# Altium PCB roach2.PcbDoc (part 36 of 39)
Units mil, origin at the board's own origin, x right, y up, seen from the top; angles counter-clockwise.
Board outline 12007.87 x 9606.3 mil, 16 copper layers (L1_TOP, L2_G, L3_S, L4_G, L5_S, L6_P, L7_G, L8_R, L9_R, L10_P, L11_P, L12_S, L13_P, L14_S, L15_G, L16_BOT), stack 81.651 mil thick; 1568 components, 1918 nets, 9251 pads, 6741 vias.
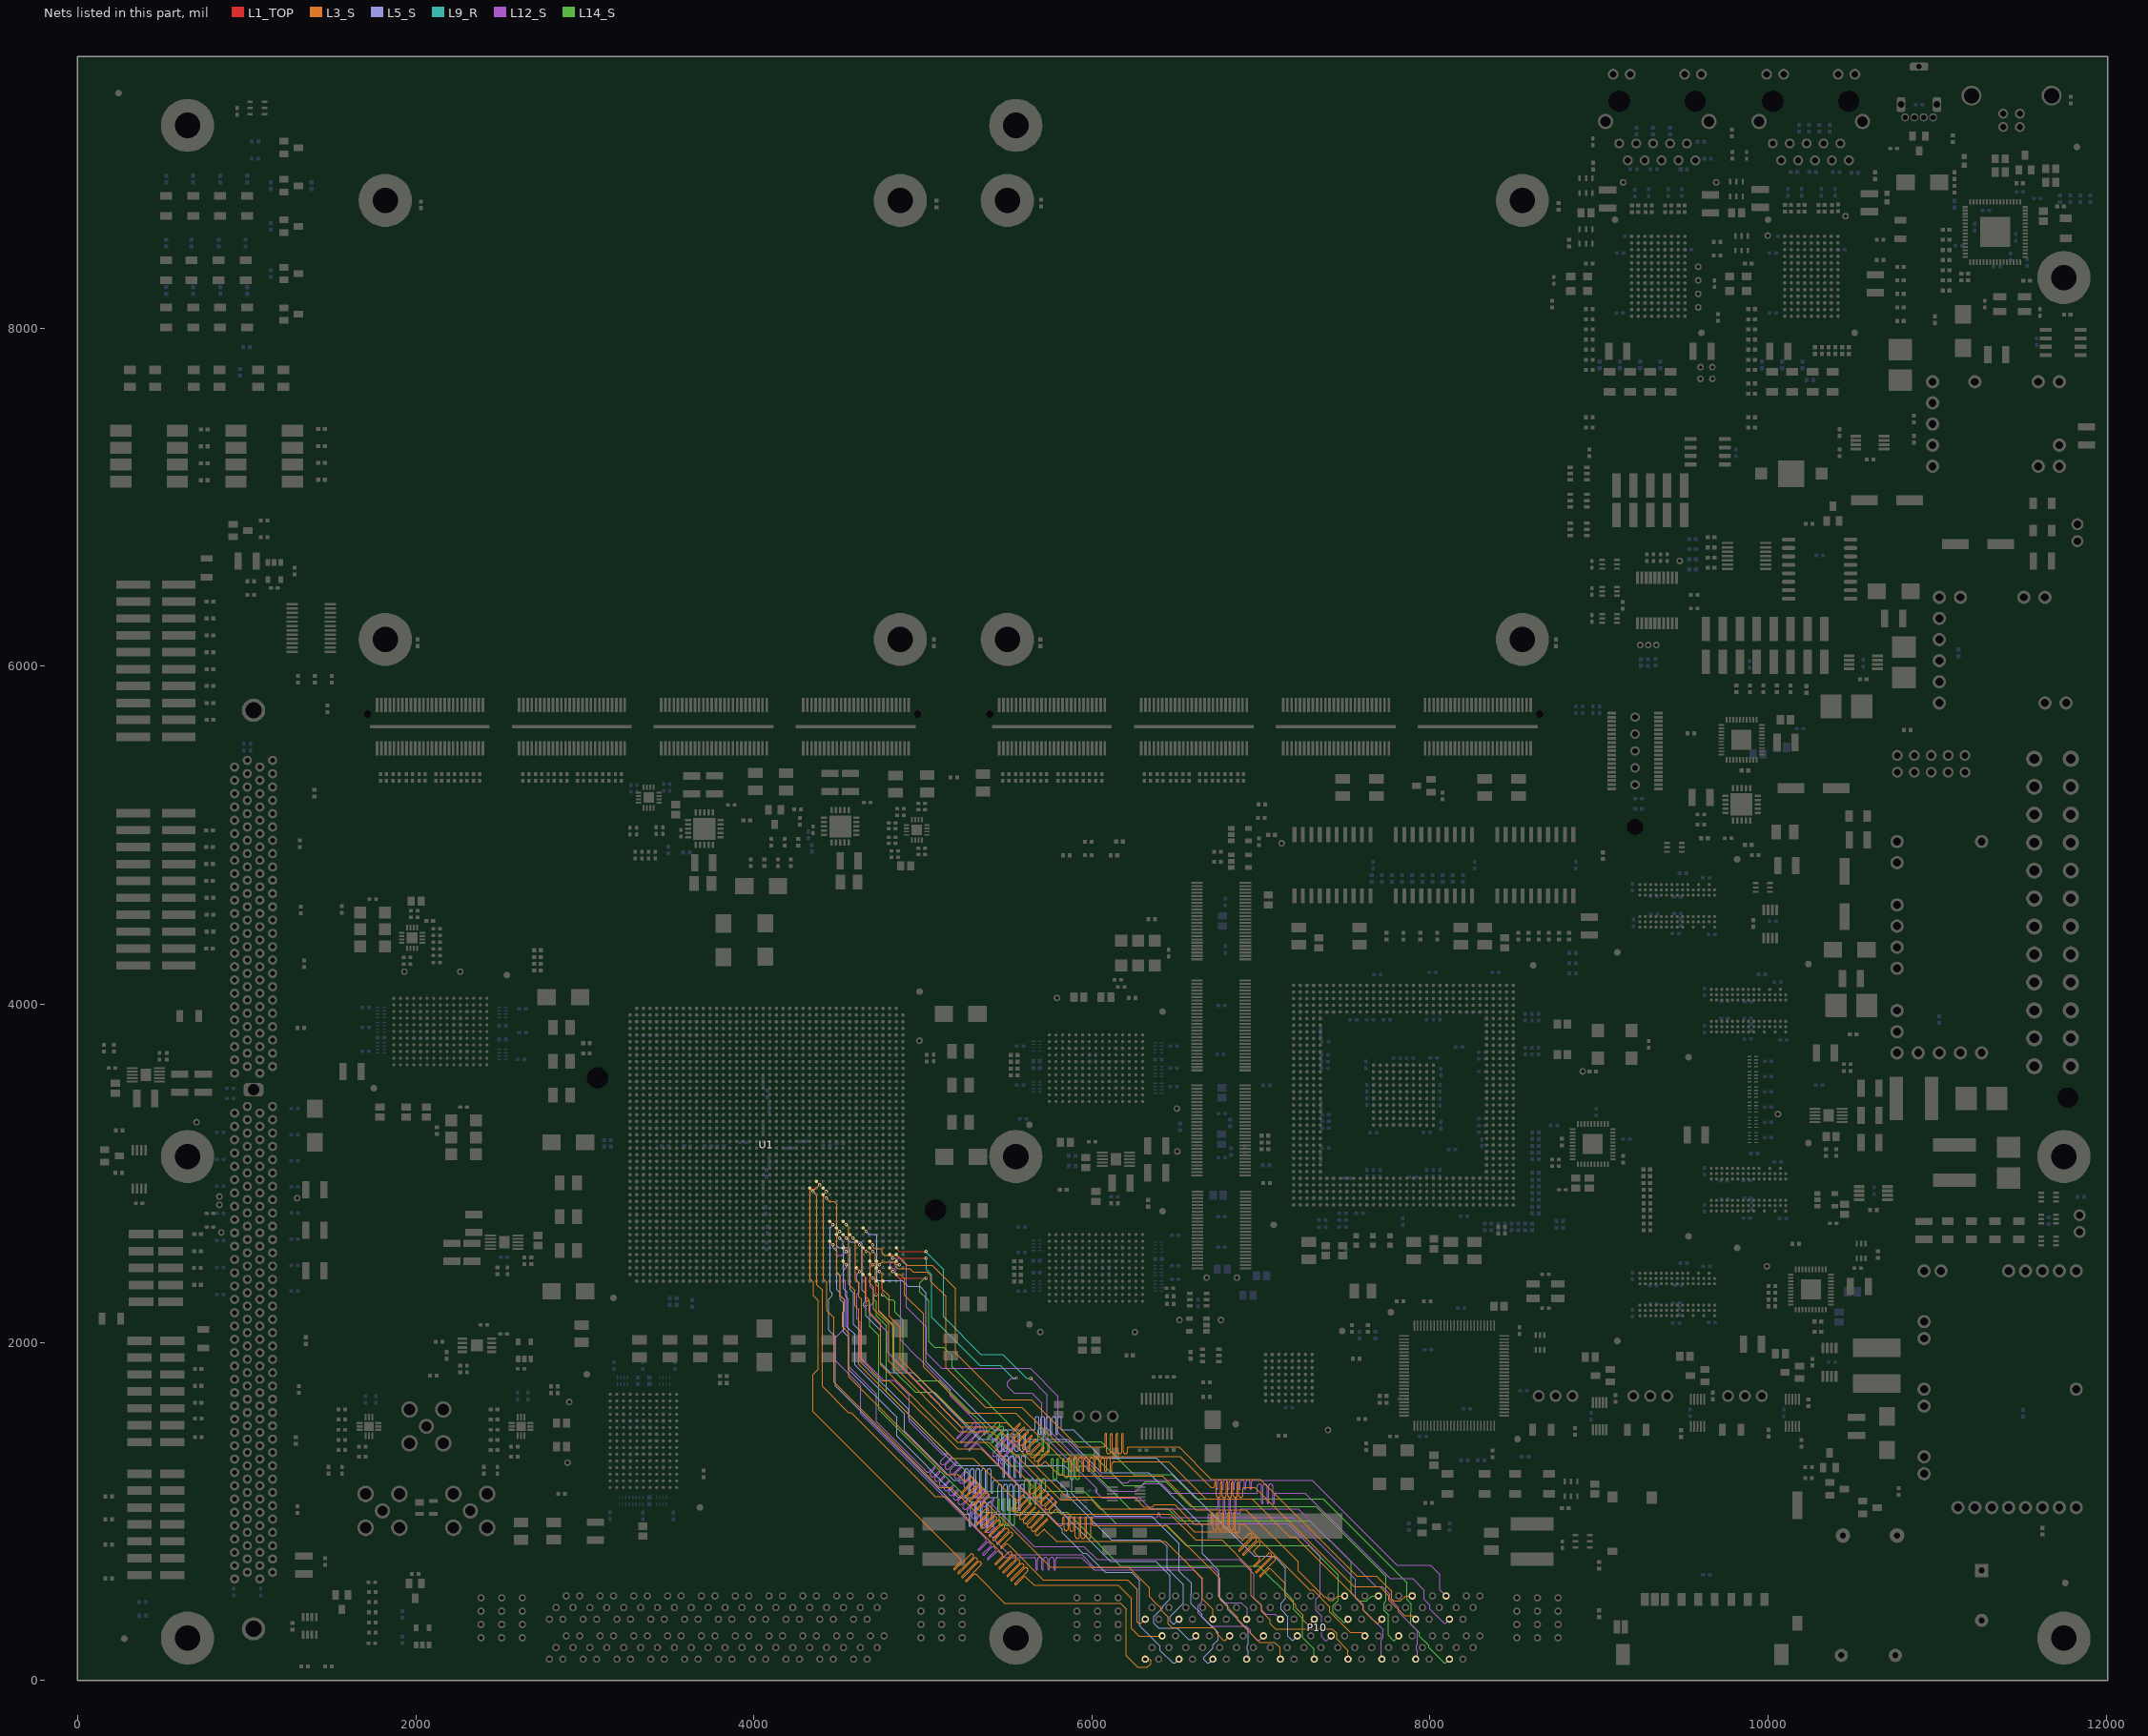
[diagram p50: the nets of this part, all layers, seen from the top]

## Via types
v1: diameter 19.4, hole 10, L1_TOP to L16_BOT, tented both sides, 3354 vias
v2: diameter 19.4, hole 10, L1_TOP to L16_BOT, 1954 vias
v3: diameter 19.4, hole 10, L1_TOP to L16_BOT, tented top, 429 vias
v4: diameter 18.6, hole 10, L1_TOP to L16_BOT, tented both sides, 311 vias
v5: diameter 59.06, hole 39.37, L1_TOP to L16_BOT, 217 vias
v6: diameter 19.4, hole 10.04, L1_TOP to L16_BOT, 125 vias
v7: diameter 19, hole 10, L1_TOP to L16_BOT, 93 vias
v8: diameter 19.4, hole 10, L1_TOP to L16_BOT, tented bottom, 80 vias
v9: diameter 25.98, hole 12.99, L1_TOP to L16_BOT, tented top, 55 vias
v10: diameter 20, hole 10, L1_TOP to L16_BOT, 53 vias
v11: diameter 59.06, hole 39.37, L1_TOP to L16_BOT, tented top, 44 vias
v12: diameter 20, hole 10, L1_TOP to L16_BOT, tented top, 16 vias
v13: diameter 19, hole 10, L1_TOP to L16_BOT, tented top, 5 vias
v14: diameter 25.98, hole 12.99, L1_TOP to L16_BOT, 4 vias
v15: diameter 50, hole 28, L1_TOP to L16_BOT, 1 vias

## Nets (pads, with @x,y where several pads share a name; then routed paths per layer and width w, separated by ;. In a path a pad name is that pad's centre, name@x,y a point inside that pad or via, vN(x,y) a via of type N, cw(c..) or ccw(c..) an arc to the next point about the centre after c; other vN are vias at no path point) (continued)
ZDOK0.DP_N34: P10.F12 U1.E40 | length 5260.4
  L1_TOP w5: U1.E40@4723.51,2439.41 v1(4743.2,2419.72)
  L3_S w3.8: v1@4744.1,2421.26 4744.41,2420.94 4759.88,2405.47 4759.88,2315.76 4801.19,2274.45 4801.19,2154.76 4867.19,2088.76 4867.19,1901.76 5243.76,1525.19 5495.79,1525.19 5498.75,1522.24 5527.3,1493.68 ccw(c5535.94,1502.3) 5544.56,1493.67 ; 5544.57,1493.68 5570.2,1519.31 cw(c5573.31,1516.2) 5576.42,1519.31 cw(c5573.31,1516.2) 5577.71,1516.2 cw(c5573.31,1516.2) 5576.42,1513.09 5544.92,1481.59 ; 5544.91,1481.58 5520.91,1457.58 ccw(c5529.54,1448.95) 5520.91,1440.32 ccw(c5529.54,1448.95) 5538.16,1440.32 5593.67,1495.83 cw(c5596.79,1492.73) 5599.9,1495.84 cw(c5596.79,1492.73) 5601.19,1492.73 cw(c5596.79,1492.73) 5599.9,1489.62 5568.4,1458.11 5544.39,1434.11 ccw(c5553.01,1425.47) 5544.38,1416.85 ccw(c5553.01,1425.47) 5561.64,1416.85 5617.15,1472.36 cw(c5620.26,1469.25) 5623.37,1472.36 cw(c5620.26,1469.25) 5624.66,1469.25 cw(c5620.26,1469.25) 5623.37,1466.14 5591.87,1434.64 ; 5591.86,1434.63 5567.86,1410.63 ccw(c5576.49,1402) 5567.86,1393.37 ccw(c5576.49,1402) 5585.11,1393.37 5640.62,1448.88 cw(c5643.74,1445.78) 5646.85,1448.89 cw(c5643.74,1445.78) 5648.14,1445.78 cw(c5643.74,1445.78) 5646.85,1442.66 5615.35,1411.16 5591.34,1387.16 ccw(c5599.96,1378.52) 5591.33,1369.9 ccw(c5599.96,1378.52) 5608.59,1369.9 5664.1,1425.41 cw(c5667.21,1422.3) 5670.32,1425.41 cw(c5667.21,1422.3) 5671.61,1422.3 cw(c5667.21,1422.3) 5670.32,1419.19 5614.81,1363.68 ccw(c5623.44,1355.05) 5614.81,1346.42 ccw(c5623.44,1355.05) 5632.06,1346.42 5687.58,1401.94 cw(c5690.69,1398.83) 5693.8,1401.94 cw(c5690.69,1398.83) 5695.09,1398.83 cw(c5690.69,1398.83) 5693.8,1395.71 5638.28,1340.2 ccw(c5646.91,1331.57) 5638.28,1322.95 ccw(c5646.91,1331.57) 5655.54,1322.95 5711.05,1378.46 cw(c5714.16,1375.35) 5717.27,1378.46 cw(c5714.16,1375.35) 5718.56,1375.35 cw(c5714.16,1375.35) 5717.27,1372.24 5661.76,1316.73 ccw(c5670.39,1308.1) 5661.76,1299.47 ccw(c5670.39,1308.1) 5679.01,1299.47 5734.53,1354.99 cw(c5737.64,1351.88) 5740.75,1354.99 cw(c5737.64,1351.88) 5742.04,1351.88 cw(c5737.64,1351.88) 5740.75,1348.76 5685.23,1293.25 ccw(c5693.86,1284.62) 5685.23,1276 ccw(c5693.86,1284.62) 5702.49,1276 5720.63,1294.14 cw(c5723.74,1291.03) 5726.85,1294.14 5804.39,1216.59 5829.45,1216.59 5835.85,1210.19 6415.79,1210.19 6615.79,1010.19 6910.79,1010.19 7220.19,700.79 7220.19,648.78 7376.77,492.2 7383.83,492.2 7403.59,472.45 7426.41,472.45 7453.97,500 P10.F12@7494.92,500
ZDOK0.DP_N35: P10.F14 U1.F41 | length 5256.5
  L1_TOP w5: U1.F41@4684.14,2400.04 v1(4703.83,2380.35)
  L14_S w3.8: v1@4704.73,2381.89 4705.05,2381.57 4739.11,2347.5 4739.11,2183.64 4830.19,2092.56 4830.19,1830.76 4955.76,1705.19 5067.99,1705.19 5505.19,1267.99 5748.99,1267.99 ccw(c5748.99,1280.19) 5761.19,1280.19 5761.19,1307.46 cw(c5765.59,1307.46) 5769.99,1307.46 5769.99,1200.73 ccw(c5782.19,1200.73) 5794.39,1200.73 5794.39,1307.46 cw(c5798.79,1307.46) 5803.19,1307.46 5803.19,1228.27 ccw(c5815.39,1228.27) 5827.59,1228.27 5827.59,1307.46 cw(c5831.99,1307.46) 5836.39,1307.46 5836.39,1212.36 ccw(c5848.59,1212.36) 5860.79,1212.36 5860.79,1307.46 cw(c5865.19,1307.46) 5869.59,1307.46 5869.59,1200.73 ccw(c5881.79,1200.73) 5893.99,1200.73 5893.99,1307.46 cw(c5898.39,1307.46) 5902.79,1307.46 5902.79,1200.73 ccw(c5914.99,1200.73) 5927.19,1200.73 5927.19,1263.59 cw(c5931.59,1263.59) 5931.59,1267.99 5972.99,1267.99 5975.95,1265.04 6013.49,1227.49 6225.79,1015.19 6450.79,1015.19 6520.28,945.71 7289.25,945.71 7522.48,712.48 7527.48,707.48 7535.19,699.76 7535.19,514.76 7579.76,470.19 7624.16,470.19 7653.97,500 P10.F14@7694.92,500
ZDOK0.DP_N36: P10.F16 U1.F36 | length 5263.2
  L1_TOP w5: U1.F36@4684.14,2596.89 v1(4703.83,2577.2)
  L3_S w3.8: v1@4705.05,2578.42 4704.73,2578.74 4704.73,2577.2 4704.73,2563.26 4714.49,2553.49 4754.96,2553.49 4759.17,2549.29 4759.17,2528.14 4772.88,2514.43 4848.52,2514.43 4907.96,2454.99 4953.25,2454.99 ; 4953.27,2455.01 4966.19,2455.01 5055.99,2454.99 5192.99,2317.99 5192.99,1936.76 5469.56,1660.19 5640.79,1660.19 5871.49,1429.5 5915.55,1385.44 5920.79,1380.19 6065.59,1380.19 ccw(c6065.59,1392.39) 6077.79,1392.39 6077.79,1455.55 cw(c6082.19,1455.55) 6086.59,1455.55 6086.59,1353.23 ccw(c6098.79,1353.23) 6110.99,1353.23 6110.99,1455.55 cw(c6115.39,1455.55) 6119.79,1455.55 6119.79,1353.23 ccw(c6131.99,1353.23) 6144.19,1353.23 6144.19,1455.55 cw(c6148.59,1455.55) 6152.99,1455.55 6152.99,1353.23 ccw(c6165.19,1353.23) 6177.39,1353.23 6177.39,1455.55 cw(c6181.79,1455.55) 6186.19,1455.55 6186.19,1353.23 ccw(c6198.39,1353.23) 6210.59,1353.23 6210.59,1375.79 cw(c6214.99,1375.79) 6214.99,1380.19 6514.99,1380.19 6704.99,1190.19 6995.79,1190.19 7567.99,617.99 7682.99,617.99 7773.59,527.39 7773.59,481.36 7784.76,470.19 7824.16,470.19 7853.97,500 P10.F16@7894.92,500
ZDOK0.DP_N37: P10.F18 U1.C38 | length 5215.2
  L1_TOP w5: U1.C38@4802.25,2518.15 v1(4821.94,2498.46)
  L12_S w3.8: v1(4821.94,2498.46) 4862.52,2498.46 4903.79,2457.19 4903.79,2206.99 5021.99,2088.79 5021.99,1935.89 5110.89,1846.99 5635.02,1846.99 5800.79,1681.22 5800.79,1466.22 6068.51,1198.51 6147.48,1198.51 6174.59,1171.39 6211.39,1171.39 6225.28,1185.28 6723.59,1185.28 cw(c6723.59,1173.08) 6735.79,1173.08 6735.79,1135.36 ccw(c6740.19,1135.36) 6744.59,1135.36 6744.59,1173.08 cw(c6756.79,1173.08) 6768.99,1173.08 6768.99,1135.36 ccw(c6773.39,1135.36) 6777.79,1135.36 6777.79,1173.08 cw(c6789.99,1173.08) 6802.19,1173.08 6802.19,1135.36 ccw(c6806.59,1135.36) 6810.99,1135.36 6810.99,1173.08 cw(c6823.19,1173.08) 6835.39,1173.08 6835.39,1135.36 ccw(c6839.79,1135.36) 6844.19,1135.36 6844.19,1173.08 cw(c6856.39,1173.08) 6868.59,1173.08 6868.59,1135.36 ccw(c6872.99,1135.36) 6877.39,1135.36 6877.39,1173.08 cw(c6889.59,1173.08) 6901.79,1173.08 6901.79,1135.36 ccw(c6906.19,1135.36) 6910.59,1135.36 6910.59,1173.08 cw(c6922.79,1173.08) 6934.99,1173.08 6934.99,1135.36 ccw(c6939.39,1135.36) 6943.79,1135.36 6943.79,1173.08 cw(c6955.99,1173.08) 6955.99,1185.28 7301.74,1185.28 7804.02,682.99 8001.22,682.99 8058.86,625.35 8058.86,536.06 P10.F18@8094.92,500
ZDOK0.DP_P0: P10.A1 U1.P27 | length 5228.8
  L1_TOP w5: U1.P27@4369.18,2951.22 v1(4388.87,2931.53)
  L3_S w3.8: v1(4388.87,2931.53) 4365.1,2907.76 4343.03,2907.76 4333.9,2898.63 4333.9,2373.89 4353.58,2354.21 4353.58,2275.47 4381.22,2247.83 4381.22,1842.19 4350.51,1811.48 4350.51,1590.48 5068.49,872.5 5222.59,718.39 cw(c5213.97,709.77) 5226.16,709.77 cw(c5213.97,709.77) 5222.59,701.14 5183.94,662.49 ccw(c5187.05,659.38) 5183.94,656.27 ccw(c5187.05,659.38) 5190.16,656.27 ; 5190.17,656.27 5279.2,745.31 cw(c5287.83,736.68) 5296.46,745.31 cw(c5287.83,736.68) 5300.03,736.68 cw(c5287.83,736.68) 5296.46,728.05 5251.94,683.54 5207.42,639.01 ccw(c5210.53,635.9) 5207.42,632.79 ccw(c5210.53,635.9) 5213.64,632.79 5302.68,721.83 cw(c5311.3,713.21) 5319.93,721.83 cw(c5311.3,713.21) 5323.5,713.21 cw(c5311.3,713.21) 5319.93,704.58 5230.9,615.54 ccw(c5234,612.43) 5230.89,609.32 ccw(c5234,612.43) 5237.11,609.32 ; 5237.12,609.32 5326.15,698.36 cw(c5334.78,689.73) 5343.41,698.36 cw(c5334.78,689.73) 5346.98,689.73 cw(c5334.78,689.73) 5343.41,681.1 5254.37,592.07 ; 5254.37,592.06 ccw(c5257.48,588.95) 5254.37,585.84 ccw(c5257.48,588.95) 5260.59,585.84 5299.23,624.49 cw(c5307.87,615.87) 5316.49,624.49 5482.99,457.99 6169.02,457.99 6202.99,424.02 6202.99,145.79 6270.79,77.99 6327.99,77.99 6347.99,97.99 6347.99,117.99 6340,125.98 P10.A1@6315.2,125.98
ZDOK0.DP_P1: P10.A3 U1.M33 | length 5161.3
  L1_TOP w5: U1.M33@4447.92,2715 v1(4467.61,2695.31)
  L5_S w3.8: v1(4467.61,2695.31) 4451.64,2679.34 4451.64,2304.99 4463.52,2293.11 4463.52,2275.47 4443.79,2255.74 4443.79,2072.9 4482.56,2034.13 4482.56,1743.42 5242.99,982.99 5263.78,982.99 cw(c5263.78,970.79) 5275.98,970.79 5275.98,914.52 ccw(c5280.38,914.52) 5284.78,914.52 5284.78,1043.66 cw(c5296.98,1043.66) 5309.18,1043.66 5309.18,914.52 ccw(c5313.58,914.52) 5317.98,914.52 5317.98,1043.66 cw(c5330.18,1043.66) 5342.38,1043.66 5342.38,914.52 ccw(c5346.78,914.52) 5351.18,914.52 5351.18,1043.66 cw(c5363.38,1043.66) 5375.58,1043.66 5375.58,914.52 ccw(c5379.98,914.52) 5384.38,914.52 5384.38,1043.66 cw(c5396.58,1043.66) 5408.78,1043.66 5408.78,914.52 ccw(c5413.18,914.52) 5417.58,914.52 5417.58,970.79 cw(c5429.78,970.79) 5429.78,982.99 5736.22,982.99 5825.79,893.42 5825.79,872.99 5945.79,752.99 5966.22,752.99 6078.42,640.79 6233.42,640.79 6282.99,591.22 6282.99,324.02 6402.99,204.02 6402.99,177.99 6477.99,102.99 6492.2,102.99 P10.A3@6515.2,125.98
ZDOK0.DP_P2: P10.A5 U1.L35 | length 5201.1
  L1_TOP w5: U1.L35@4487.29,2636.26 v1(4506.98,2616.57)
  L5_S w3.8: v1(4506.98,2616.57) 4526.49,2597.06 4526.49,2575 4539.88,2561.6 4555.67,2561.6 4569.75,2547.53 4569.75,2358.74 4570.79,2357.69 4570.79,2312.69 4590.33,2293.16 4590.33,2107.65 4630.28,2067.71 4630.28,1886.49 4915.79,1600.97 4915.79,1552.99 5195.79,1272.99 5444.99,1272.99 ccw(c5444.99,1277.39) 5449.39,1277.39 5449.39,1316.32 cw(c5461.59,1316.32) 5473.79,1316.32 5473.79,1204.66 ccw(c5478.19,1204.66) 5482.59,1204.66 5482.59,1316.32 cw(c5494.79,1316.32) 5506.99,1316.32 5506.99,1204.66 ccw(c5511.39,1204.66) 5515.79,1204.66 5515.79,1316.32 cw(c5527.99,1316.32) 5540.19,1316.32 5540.19,1204.66 ccw(c5544.59,1204.66) 5548.99,1204.66 5548.99,1316.32 cw(c5561.19,1316.32) 5573.39,1316.32 5573.39,1204.66 ccw(c5577.79,1204.66) 5582.19,1204.66 5582.19,1316.32 cw(c5594.39,1316.32) 5606.59,1316.32 5606.59,1277.39 ccw(c5610.99,1277.39) 5610.99,1272.99 5834.02,1272.99 5839.26,1267.75 5875.55,1231.47 5880.79,1226.22 5880.79,1106.22 6013.51,973.51 6352.48,973.51 6515.79,810.19 6515.79,646.22 6587.99,574.02 6587.99,511.96 6587.45,511.41 6587.45,454.57 6650.35,391.66 6650.35,376.66 6745.79,281.22 6745.79,240.79 6715.79,210.79 6715.79,190.79 6662.99,137.99 6662.99,122.99 6682.99,102.99 6692.2,102.99 P10.A5@6715.2,125.98
ZDOK0.DP_P3: P10.A7 U1.K35 | length 5195.8
  L1_TOP w5: U1.K35@4526.66,2636.26 v1(4546.35,2616.57)
  L5_S w3.8: v1(4546.35,2616.57) 4570.12,2592.8 4631.55,2592.8 4640.69,2583.67 4640.69,2308.07 4660.37,2288.39 4660.37,2240.85 4648.86,2229.34 4648.86,2216.41 4662.99,2202.28 4662.99,2155.76 4749.19,2069.56 4749.19,1876.76 4805.76,1820.19 4942.99,1820.19 5335.19,1427.99 5437.79,1427.99 cw(c5437.79,1423.59) 5442.19,1423.59 5442.19,1367.44 ccw(c5454.39,1367.44) 5466.59,1367.44 5466.59,1453.55 cw(c5470.99,1453.55) 5475.39,1453.55 5475.39,1367.44 ccw(c5487.59,1367.44) 5499.79,1367.44 5499.79,1453.55 cw(c5504.19,1453.55) 5508.59,1453.55 5508.59,1367.44 ccw(c5520.79,1367.44) 5532.99,1367.44 5532.99,1453.55 cw(c5537.39,1453.55) 5541.79,1453.55 5541.79,1367.44 ccw(c5553.99,1367.44) 5566.19,1367.44 5566.19,1453.55 cw(c5570.59,1453.55) 5574.99,1453.55 5574.99,1367.44 ccw(c5587.19,1367.44) 5599.39,1367.44 5599.39,1453.55 cw(c5603.79,1453.55) 5608.19,1453.55 5608.19,1367.44 ccw(c5620.39,1367.44) 5632.59,1367.44 5632.59,1423.59 cw(c5636.99,1423.59) 5636.99,1427.99 5857.99,1427.99 6055.79,1230.19 6335.79,1230.19 6652.99,912.99 6652.99,749.76 6750.19,652.56 6750.19,494.76 6802.99,441.96 6802.99,419.76 6925.19,297.56 6925.19,215.11 6919.61,209.53 6919.61,180.24 6925.19,174.65 6925.19,135.98 P10.A7@6915.2,125.98
ZDOK0.DP_P4: P10.A9 U1.J35 | length 5210.1
  L1_TOP w5: U1.J35@4566.03,2636.26 v1(4585.72,2616.57)
  L3_S w3.8: v1(4585.72,2616.57) 4601.69,2600.6 4601.69,2370.66 4621.37,2350.98 4621.37,2270.61 4636.79,2255.19 4636.79,1894.16 4756.76,1774.19 4801.99,1774.19 5205.99,1370.19 5345.79,1370.19 5800.79,915.19 5814.99,915.19 ccw(c5814.99,927.39) 5827.19,927.39 5827.19,962 cw(c5831.59,962) 5835.99,962 5835.99,897.87 ccw(c5848.19,897.87) 5860.39,897.87 5860.39,962 cw(c5864.79,962) 5869.19,962 5869.19,895.22 ccw(c5881.39,895.22) 5893.59,895.22 5893.59,962 cw(c5897.99,962) 5902.39,962 5902.39,851.79 ccw(c5914.59,851.79) 5926.79,851.79 5926.79,962 cw(c5931.19,962) 5935.59,962 5935.59,851.79 ccw(c5947.79,851.79) 5959.99,851.79 5959.99,962 cw(c5964.39,962) 5968.79,962 5968.79,851.79 ccw(c5980.99,851.79) 5993.19,851.79 5993.19,962 cw(c5997.59,962) 6001.99,962 6001.99,927.39 ccw(c6014.19,927.39) 6014.19,915.19 6445.79,915.19 6757.99,602.99 6757.99,477.99 6862.99,372.99 6862.99,354.76 6992.56,225.19 7080.79,225.19 7112.99,192.99 7112.99,128.19 P10.A9@7115.2,125.98
ZDOK0.DP_P5: P10.A11 U1.G41 | length 5249.3
  L1_TOP w5: U1.G41@4644.77,2400.04 4664.46,2380.35 v2(4664.46,2222.87)
  L14_S w3.8: v2@4665.36,2224.41 4665.36,2238.36 4672.99,2245.99 4674.99,2245.99 4684.99,2235.99 4684.99,2156.99 4685.59,2156.39 4685.59,2094.36 4738.48,2041.48 4738.48,1601.48 5344.76,995.19 5430.99,995.19 ccw(c5430.99,1007.39) 5443.19,1007.39 5443.19,1069.64 cw(c5447.59,1069.64) 5451.99,1069.64 5451.99,928.54 ccw(c5464.19,928.54) 5476.39,928.54 5476.39,1069.64 cw(c5480.79,1069.64) 5485.19,1069.64 5485.19,928.54 ccw(c5497.39,928.54) 5509.59,928.54 5509.59,1069.64 cw(c5513.99,1069.64) 5518.39,1069.64 5518.39,928.54 ccw(c5530.59,928.54) 5542.79,928.54 5542.79,1069.64 cw(c5547.19,1069.64) 5551.59,1069.64 5551.59,1007.39 ccw(c5563.79,1007.39) 5563.79,995.19 5852.99,995.19 5855.95,992.24 5920.09,928.09 6170.19,677.99 6987.99,677.99 7179.65,486.34 7179.65,485.36 7192.99,472.01 7192.99,419.76 7245.19,367.56 7245.19,254.65 7315.2,184.65 P10.A11@7315.2,125.98
ZDOK0.DP_P6: P10.A13 U1.H36 | length 5210
  L1_TOP w5: U1.H36@4605.4,2596.89 v1(4625.09,2577.2)
  L3_S w3.8: v1(4625.09,2577.2) 4641.06,2561.23 4641.06,2403.9 4660.74,2384.21 4660.74,2272.24 4682.19,2250.79 4682.19,2178.26 4749.99,2110.46 4749.99,1865.76 5205.56,1410.19 5387.99,1410.19 5521.09,1277.1 5648.95,1149.24 cw(c5645.84,1146.13) 5650.24,1146.13 cw(c5645.84,1146.13) 5648.95,1143.01 5631.36,1125.42 ccw(c5639.98,1116.8) 5631.36,1108.17 ccw(c5639.98,1116.8) 5648.61,1108.17 5690.82,1150.39 cw(c5693.94,1147.28) 5697.05,1150.39 cw(c5693.94,1147.28) 5698.34,1147.28 cw(c5693.94,1147.28) 5697.05,1144.17 5678.3,1125.41 5654.83,1101.95 ccw(c5663.46,1093.32) 5654.83,1084.7 ccw(c5663.46,1093.32) 5672.08,1084.7 5714.3,1126.91 cw(c5717.41,1123.8) 5720.53,1126.91 cw(c5717.41,1123.8) 5721.81,1123.8 cw(c5717.41,1123.8) 5720.53,1120.69 5701.77,1101.94 ; 5701.76,1101.93 5678.31,1078.47 ccw(c5686.93,1069.85) 5678.31,1061.22 ccw(c5686.93,1069.85) 5695.56,1061.22 5737.78,1103.44 cw(c5740.89,1100.33) 5744,1103.44 cw(c5740.89,1100.33) 5745.29,1100.33 cw(c5740.89,1100.33) 5744,1097.22 5701.78,1055 ccw(c5710.41,1046.37) 5701.78,1037.75 ccw(c5710.41,1046.37) 5719.03,1037.75 5761.25,1079.96 cw(c5764.36,1076.85) 5767.48,1079.96 cw(c5764.36,1076.85) 5768.76,1076.85 cw(c5764.36,1076.85) 5767.48,1073.74 5725.26,1031.53 ccw(c5733.88,1022.9) 5725.26,1014.27 ccw(c5733.88,1022.9) 5742.51,1014.27 5784.73,1056.49 cw(c5787.84,1053.38) 5790.95,1056.49 cw(c5787.84,1053.38) 5792.24,1053.38 cw(c5787.84,1053.38) 5790.95,1050.27 5748.74,1008.05 ccw(c5757.36,999.42) 5748.73,990.8 ccw(c5757.36,999.42) 5765.98,990.8 5783.57,1008.38 cw(c5786.69,1005.28) 5789.8,1008.39 5815.19,982.99 6462.99,982.99 6615.28,830.71 6769.25,830.71 6942.99,656.96 6942.99,501.96 7002.99,441.96 7002.99,409.76 7055.19,357.56 7055.19,334.76 7084.76,305.19 7420.79,305.19 7447.99,277.99 7447.99,244.76 7515.2,177.56 P10.A13@7515.2,125.98
ZDOK0.DP_P7: P10.A15 U1.B39 | length 5289.9
  L1_TOP w5: U1.B39@4841.62,2478.78 v1(4861.31,2459.09)
  L12_S w3.8: v1(4861.31,2459.09) 4844,2459.09 4828.4,2474.69 4815.48,2474.69 4806.34,2465.55 4806.34,2452.63 4823.65,2435.32 4828.4,2435.32 4837.54,2426.18 4837.54,2402.42 4868.19,2371.76 4868.19,2012.76 4962.53,1918.42 4962.67,1918.42 4983.42,1897.67 4983.42,1897.53 5161.98,1718.98 5161.98,1684.01 5442.66,1403.33 ccw(c5451.29,1411.95) 5459.92,1403.32 ; 5439.15,1323.16 ccw(c5447.78,1314.54) 5439.15,1305.91 ccw(c5447.78,1314.54) 5456.41,1305.91 5546.57,1396.07 ; 5439.16,1323.17 5529.31,1413.32 ; 5459.92,1403.33 5499.62,1443.02 ; 5499.62,1443.03 cw(c5502.73,1439.91) 5505.84,1443.03 cw(c5502.73,1439.91) 5507.13,1439.91 cw(c5502.73,1439.91) 5505.84,1436.8 5415.68,1346.64 ccw(c5424.3,1338.01) 5415.68,1329.39 ccw(c5424.3,1338.01) 5432.93,1329.39 5523.09,1419.55 cw(c5526.21,1416.44) 5529.32,1419.55 cw(c5526.21,1416.44) 5530.61,1416.44 cw(c5526.21,1416.44) 5529.32,1413.33 ; 5507.22,1344.27 5462.63,1299.69 ccw(c5471.26,1291.06) 5462.63,1282.44 ccw(c5471.26,1291.06) 5479.88,1282.44 5518.6,1321.16 cw(c5521.72,1318.05) 5524.83,1321.16 5654.99,1190.99 5787.99,1057.99 5787.99,1026.96 5851.96,962.99 6376.99,962.99 ccw(c6376.99,977.39) 6391.39,977.39 6391.39,986.19 cw(c6395.79,986.19) 6400.19,986.19 6400.19,977.39 ccw(c6414.59,977.39) 6414.59,962.99 7192.99,962.99 7557.99,597.99 7557.99,486.96 7607.99,436.96 7607.99,414.76 7722.48,300.28 7722.48,252.37 7710.19,240.08 7710.19,130.99 P10.A15@7715.2,125.98 ; 5507.22,1344.28 5552.79,1389.85 ccw(c5549.68,1392.96) 5554.08,1392.96 ccw(c5549.68,1392.96) 5552.79,1396.08 ccw(c5549.68,1392.96) 5546.57,1396.08
ZDOK0.DP_P8: P10.A17 U1.B38 | length 5277.5
  L1_TOP w5: U1.B38@4842.09,2518.46 4861.78,2498.77 v2(5019.26,2498.77)
  L9_R w3.8: v2@5020.16,2498.77 5020.16,2431.82 5051.79,2400.18 5051.79,2149.99 5336.79,1864.99 5458.79,1864.99 5535.71,1788.08 v2@5548.08,1788.08
  L12_S w3.8: v2@5548.08,1788.08 5522.05,1788.08 5500.19,1766.22 5500.19,1739.76 5539.76,1700.19 5644.76,1700.19 5702.99,1641.96 5702.99,1461.96 6027.99,1136.96 6027.99,1109.76 6057.56,1080.19 6280.79,1080.19 6345.79,1015.19 6733.59,1015.19 ccw(c6733.59,1027.39) 6745.79,1027.39 6745.79,1072.74 cw(c6750.19,1072.74) 6754.59,1072.74 6754.59,1000.45 ccw(c6766.79,1000.45) 6778.99,1000.45 6778.99,1072.74 cw(c6783.39,1072.74) 6787.79,1072.74 6787.79,1000.45 ccw(c6799.99,1000.45) 6812.19,1000.45 6812.19,1072.74 cw(c6816.59,1072.74) 6820.99,1072.74 6820.99,1000.45 ccw(c6833.19,1000.45) 6845.39,1000.45 6845.39,1072.74 cw(c6849.79,1072.74) 6854.19,1072.74 6854.19,1000.45 ccw(c6866.39,1000.45) 6878.59,1000.45 6878.59,1010.79 cw(c6882.99,1010.79) 6882.99,1015.19 7220.79,1015.19 7680.79,555.19 7717.99,555.19 7762.99,510.19 7762.99,481.96 7812.99,431.96 7812.99,404.76 7925.19,292.56 7925.19,215.11 7919.61,209.53 7919.61,180.24 7925.19,174.65 7925.19,135.98 P10.A17@7915.2,125.98
  other v2: 5555.02,1789.02
ZDOK0.DP_P9: P10.A19 U1.B41 | length 5190.9
  L1_TOP w5: U1.B41@4842.09,2400.35 4861.78,2380.66 v2(5019.26,2380.66)
  L14_S w3.8: v2@5020.16,2382.2 5019.26,2382.2 5014.04,2382.2 4982.24,2350.39 4982.24,2299.21 5023.62,2257.83 ; 5023.62,2255.91 5023.62,2257.83 ; P10.A19@8115.2,125.98 8092.2,102.99 8082.99,102.99 7992.99,192.99 7992.99,206.85 7969.6,230.24 7968.98,230.24 7935.79,263.42 7935.79,281.22 7885.79,331.22 7885.79,400.79 7890.31,405.31 7890.31,451.7 7863.51,478.51 7863.51,577.48 7367.48,1073.51 6618.51,1073.51 6474.02,1217.99 6249.02,1217.99 6054.02,1412.99 5759.99,1412.99 ccw(c5759.99,1400.79) 5747.79,1400.79 5747.79,1357.92 cw(c5743.39,1357.92) 5738.99,1357.92 5738.99,1478.66 ccw(c5726.79,1478.66) 5714.59,1478.66 5714.59,1357.92 cw(c5710.19,1357.92) 5705.79,1357.92 5705.79,1478.66 ccw(c5693.59,1478.66) 5681.39,1478.66 5681.39,1417.39 cw(c5676.99,1417.39) 5676.99,1412.99 5613.79,1412.99 5172.79,1853.99 5172.79,1922.19 5123.99,1970.99 5067.99,1970.99 5034.79,2004.19 5034.79,2243.83 5023.62,2255 5023.62,2257.83
ZDOK0.DP_P10: P10.D1 U1.N28 | length 5181.6
  L1_TOP w5: U1.N28@4408.55,2911.85 v1(4428.24,2892.16)
  L3_S w3.8: v1(4428.24,2892.16) 4412.64,2876.56 4412.64,2373.89 4432.32,2354.21 4432.32,2188.66 4473.79,2147.19 4473.79,1766.19 5096.99,1142.99 5166.22,1142.99 5263.6,1045.61 5329.37,979.84 ccw(c5332.49,982.95) 5335.6,979.84 5369.65,1013.89 cw(c5378.28,1005.27) 5386.9,1013.89 cw(c5378.28,1005.27) 5390.48,1005.27 cw(c5378.28,1005.27) 5386.9,996.64 5346.99,956.72 ; 5346.98,956.71 5320.45,930.19 ccw(c5323.55,927.07) 5320.44,923.96 ccw(c5323.55,927.07) 5326.67,923.96 5393.13,990.42 cw(c5401.75,981.79) 5410.38,990.42 cw(c5401.75,981.79) 5413.95,981.79 cw(c5401.75,981.79) 5410.38,973.17 5370.46,933.25 5343.92,906.71 ccw(c5347.03,903.59) 5343.92,900.48 ccw(c5347.03,903.59) 5350.14,900.48 5376.67,927.02 ; 5376.68,927.03 5416.6,966.94 cw(c5425.23,958.32) 5433.85,966.94 cw(c5425.23,958.32) 5437.43,958.32 cw(c5425.23,958.32) 5433.85,949.69 5393.94,909.77 ; 5393.93,909.76 5367.4,883.24 ccw(c5370.5,880.12) 5367.39,877.01 ccw(c5370.5,880.12) 5373.62,877.01 5400.15,903.54 5440.07,943.46 ; 5423.62,880.07 5397.09,853.53 cw(c5393.98,856.64) 5390.87,853.53 cw(c5393.98,856.64) 5390.87,859.76 5417.4,886.29 5457.32,926.21 ccw(c5448.7,934.84) 5460.9,934.84 ccw(c5448.7,934.84) 5457.33,943.47 ccw(c5448.7,934.84) 5440.08,943.47 ; 5423.63,880.08 5463.55,919.99 cw(c5472.18,911.37) 5480.8,919.99 cw(c5472.18,911.37) 5484.38,911.37 cw(c5472.18,911.37) 5480.8,902.74 5440.89,862.82 ; 5440.88,862.81 5414.35,836.29 ccw(c5417.45,833.17) 5414.34,830.06 ccw(c5417.45,833.17) 5420.57,830.06 5487.03,896.52 cw(c5495.65,887.89) 5504.28,896.52 cw(c5495.65,887.89) 5507.85,887.89 cw(c5495.65,887.89) 5504.28,879.27 5437.82,812.81 ccw(c5440.93,809.69) 5437.82,806.58 ccw(c5440.93,809.69) 5444.04,806.58 5510.5,873.04 cw(c5519.13,864.42) 5527.75,873.04 cw(c5519.13,864.42) 5531.33,864.42 cw(c5519.13,864.42) 5527.75,855.79 5461.3,789.34 ccw(c5464.41,786.22) 5461.29,783.11 ccw(c5464.41,786.22) 5467.52,783.11 ; 5467.52,783.11 5488.18,803.77 cw(c5496.81,795.15) 5505.44,803.78 5713.42,595.79 6211.22,595.79 6267.99,539.02 6267.99,347.99 6277.99,337.99 6290.98,337.99 P10.D1@6315.2,362.2